# KiCad board panel-support-52-blue.kicad_pcb (continued)
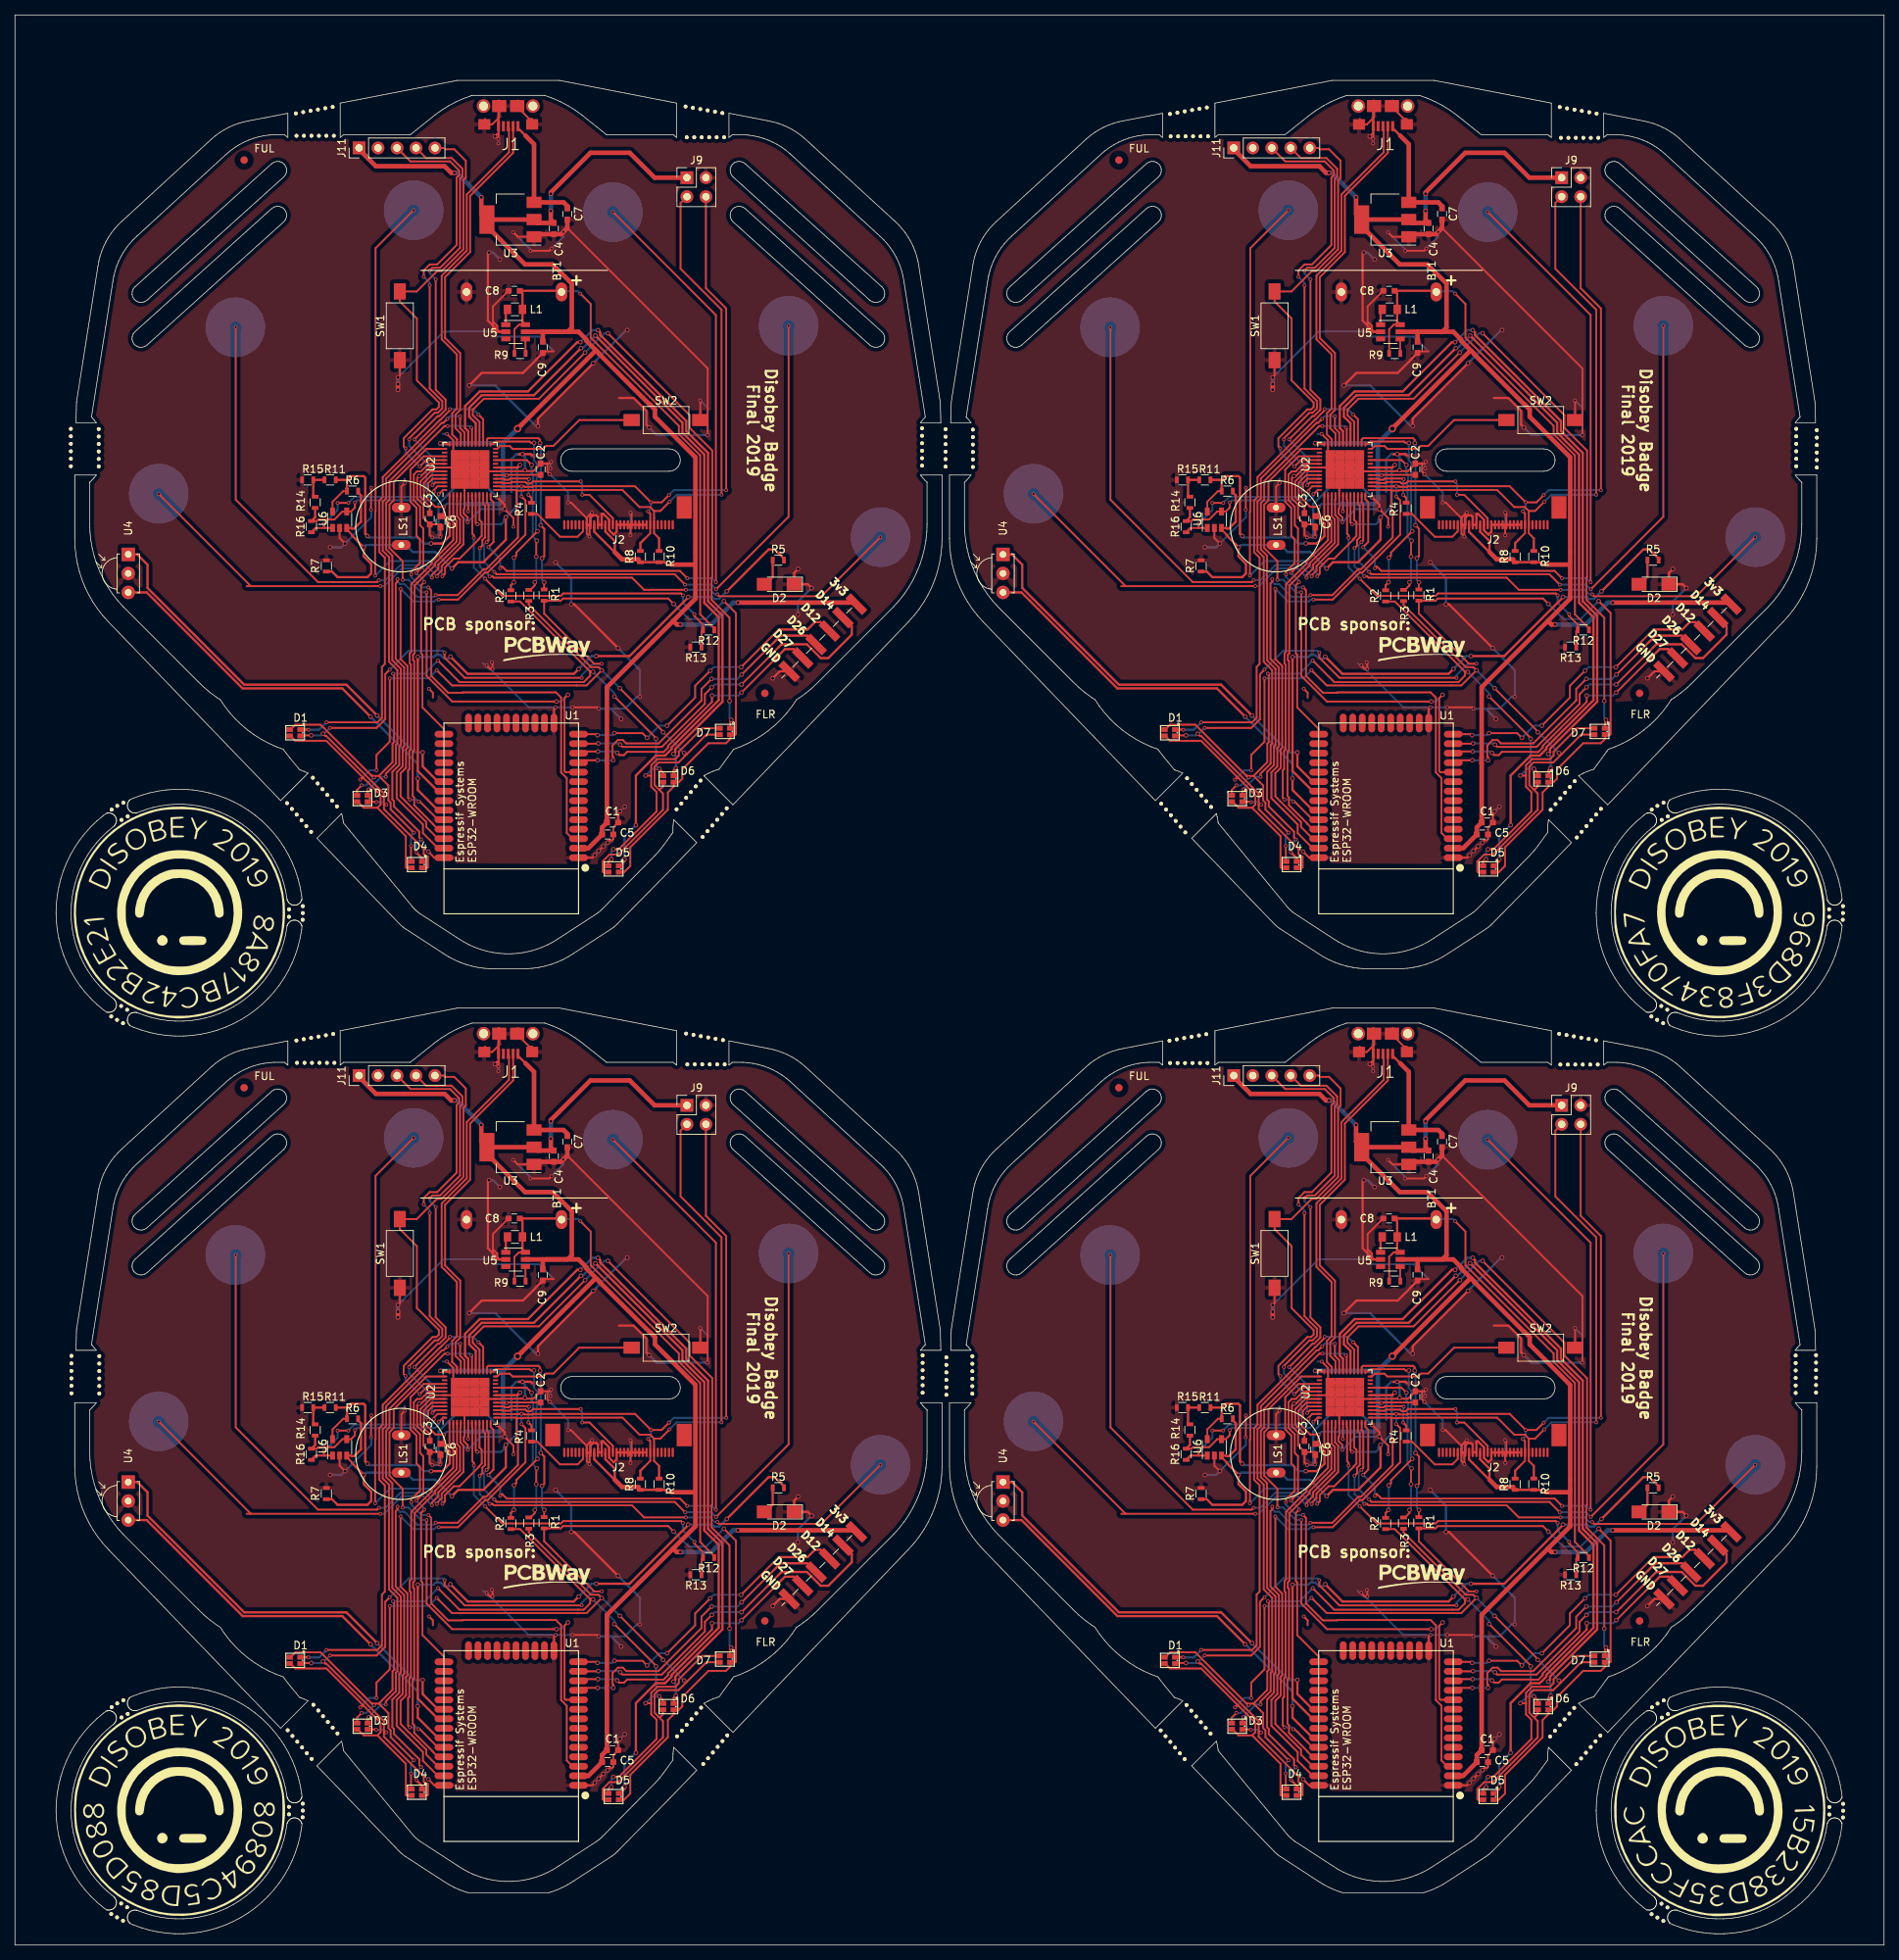
[diagram p0: board, top side]
## Routing (per net, layer and track width the routed paths; a pad name or vN(x,y) marks a point on that pad's centre or on a via; arc(x,y) is an arc through that point) (continued)
Net-(J6-Pad1): length 274
  Top w0.25: v1(179.17,186.73) 179.52,187.07 179.52,187.8 179.88,188.17 179.88,192.41 179.63,192.66 U2#2.10 ; v1(62.17,62.73) 62.52,63.07 62.52,63.8 62.88,64.17 62.88,68.41 62.63,68.66 U2#3.10 ; v1(179.17,62.73) 179.52,63.07 179.52,63.8 179.88,64.17 179.88,68.41 179.63,68.66 U2#4.10 ; v1(210.95,180.55) 211.2,180.3 224.87,180.3 v1(232.75,188.18) ; v1(93.95,56.55) 94.2,56.3 107.87,56.3 v1(115.75,64.18) ; v1(210.95,56.55) 211.2,56.3 224.87,56.3 v1(232.75,64.18) ; v1(206.74,181.16) 201.15,181.16 199.52,182.78 181.03,182.78 180.85,182.97 v1(180.5,182.97) ; v1(89.74,57.16) 84.15,57.16 82.52,58.78 64.03,58.78 63.85,58.97 v1(63.5,58.97) ; v1(206.74,57.16) 201.15,57.16 199.52,58.78 181.03,58.78 180.85,58.97 v1(180.5,58.97) ; v1(63.5,182.97) 63.85,182.97 64.03,182.78 82.52,182.78 84.15,181.16 v1(89.74,181.16) ; U2.10 62.63,192.66 62.88,192.41 62.88,188.17 62.52,187.8 62.52,187.07 v1(62.17,186.73) ; v1(93.95,180.55) 94.2,180.3 107.87,180.3 v1(115.75,188.18)
  Bottom w0.25: v1(210.95,180.55) 210.6,180.55 209.99,181.16 v1(206.74,181.16) ; v1(93.95,56.55) 93.6,56.55 92.99,57.16 v1(89.74,57.16) ; v1(210.95,56.55) 210.6,56.55 209.99,57.16 v1(206.74,57.16) ; v1(179.17,186.73) 179.17,184.3 v1(180.5,182.97) ; v1(62.17,62.73) 62.17,60.3 v1(63.5,58.97) ; v1(179.17,62.73) 179.17,60.3 v1(180.5,58.97) ; v1(232.75,188.18) 232.76,188.18 J6#2.1 ; v1(115.75,64.18) 115.76,64.18 J6#3.1 ; v1(232.75,64.18) 232.76,64.18 J6#4.1 ; v1(93.95,180.55) 93.6,180.55 92.99,181.16 v1(89.74,181.16) ; v1(62.17,186.73) 62.17,184.3 v1(63.5,182.97) ; J6.1 115.76,188.18 v1(115.75,188.18)
Net-(J7-Pad1): length 324.3
  Top w0.25: v1(210.78,181.23) 220.48,190.93 v1(220.48,216.45) ; v1(93.78,57.23) 103.48,66.93 v1(103.48,92.45) ; v1(210.78,57.23) 220.48,66.93 v1(220.48,92.45) ; v1(180.09,187.53) 180.34,187.78 180.34,192.58 180.13,192.79 U2#2.11 ; v1(63.09,63.53) 63.34,63.78 63.34,68.58 63.13,68.79 U2#3.11 ; v1(180.09,63.53) 180.34,63.78 180.34,68.58 180.13,68.79 U2#4.11 ; v1(181.12,183.55) 181.44,183.23 205.24,183.23 v1(206.63,181.85) ; v1(64.12,59.55) 64.44,59.23 88.24,59.23 v1(89.63,57.85) ; v1(181.12,59.55) 181.44,59.23 205.24,59.23 v1(206.63,57.85) ; v1(103.48,216.45) 103.48,190.93 v1(93.78,181.23) ; v1(89.63,181.85) 88.24,183.23 64.44,183.23 v1(64.12,183.55) ; v1(63.09,187.53) 63.34,187.78 63.34,192.58 63.13,192.79 U2.11
  Bottom w0.25: v1(210.78,181.23) 210.15,181.85 v1(206.63,181.85) ; v1(93.78,57.23) 93.15,57.85 v1(89.63,57.85) ; v1(210.78,57.23) 210.15,57.85 v1(206.63,57.85) ; v1(180.09,187.53) 179.75,187.18 179.75,184.93 v1(181.12,183.55) ; v1(63.09,63.53) 62.75,63.18 62.75,60.93 v1(64.12,59.55) ; v1(180.09,63.53) 179.75,63.18 179.75,60.93 v1(181.12,59.55) ; v1(220.48,216.45) J7#2.1 ; v1(103.48,92.45) J7#3.1 ; v1(220.48,92.45) J7#4.1 ; v1(93.78,181.23) 93.15,181.85 v1(89.63,181.85) ; v1(64.12,183.55) 62.75,184.93 62.75,187.18 v1(63.09,187.53) ; J7.1 v1(103.48,216.45)
Net-(J8-Pad1): length 383.7
  Top w0.25: U2#2.12 180.63,193.25 181,192.88 181,187.55 v1(180.32,186.86) ; U2#3.12 63.63,69.25 64,68.88 64,63.55 v1(63.32,62.86) ; U2#4.12 180.63,69.25 181,68.88 181,63.55 v1(180.32,62.86) ; v1(206.93,182.7) 205.94,183.69 182.76,183.69 182.15,184.3 v1(181.9,184.05) ; v1(89.93,58.7) 88.94,59.69 65.76,59.69 65.15,60.3 v1(64.9,60.05) ; v1(206.93,58.7) 205.94,59.69 182.76,59.69 182.15,60.3 v1(181.9,60.05) ; v1(196.98,231.66) 210.75,217.89 v1(210.75,182.18) ; v1(79.98,107.66) 93.75,93.89 v1(93.75,58.18) ; v1(196.98,107.66) 210.75,93.89 v1(210.75,58.18) ; v1(79.98,231.66) 93.75,217.89 v1(93.75,182.18) ; v1(89.93,182.7) 88.94,183.69 65.76,183.69 65.15,184.3 v1(64.9,184.05) ; v1(63.32,186.86) 64,187.55 64,192.88 63.63,193.25 U2.12
  Bottom w0.25: v1(180.32,186.86) 181.9,185.29 v1(181.9,184.05) ; v1(63.32,62.86) 64.9,61.29 v1(64.9,60.05) ; v1(180.32,62.86) 181.9,61.29 v1(181.9,60.05) ; v1(196.98,231.66) 196.98,231.66 J8#2.1 ; v1(79.98,107.66) 79.98,107.66 J8#3.1 ; v1(196.98,107.66) 196.98,107.66 J8#4.1 ; v1(210.75,182.18) 210.23,182.7 v1(206.93,182.7) ; v1(93.75,58.18) 93.23,58.7 v1(89.93,58.7) ; v1(210.75,58.18) 210.23,58.7 v1(206.93,58.7) ; v1(79.98,231.66) 79.98,231.66 J8.1 ; v1(93.75,182.18) 93.23,182.7 v1(89.93,182.7) ; v1(64.9,184.05) 64.9,185.29 v1(63.32,186.86)
Net-(J10-Pad2): length 192.1
  Top w0.25: v2(197.95,160.46) 198.25,160.16 203.52,160.16 209.28,165.91 209.28,167.2 v2(210.2,168.12) ; v2(80.95,36.46) 81.25,36.16 86.52,36.16 92.28,41.91 92.28,43.2 v2(93.2,44.12) ; v2(197.95,36.46) 198.25,36.16 203.52,36.16 209.28,41.91 209.28,43.2 v2(210.2,44.12) ; v2(195.03,160.62) 194.99,160.59 U1#2.13 ; v2(78.03,36.62) 77.99,36.59 U1#3.13 ; v2(195.03,36.62) 194.99,36.59 U1#4.13 ; v2(214.18,168.5) 217.77,172.09 217.77,172.12 219.09,173.44 ; v2(97.18,44.5) 100.77,48.09 100.77,48.12 102.09,49.44 ; v2(214.18,44.5) 217.77,48.09 217.77,48.12 219.09,49.44 ; v2(78.03,160.62) 77.99,160.59 U1.13 ; v2(80.95,160.46) 81.25,160.16 86.52,160.16 92.28,165.91 92.28,167.2 v2(93.2,168.12) ; v2(97.18,168.5) 100.77,172.09 100.77,172.12 102.09,173.44
  Top w0.3: J10#2.2 228.93,176.26 228.93,175.18 225.79,172.03 224.77,172.03 222.93,173.87 219.53,173.87 219.09,173.44 ; J10#3.2 111.93,52.26 111.93,51.18 108.79,48.03 107.77,48.03 105.93,49.87 102.53,49.87 102.09,49.44 ; J10#4.2 228.93,52.26 228.93,51.18 225.79,48.03 224.77,48.03 222.93,49.87 219.53,49.87 219.09,49.44 ; J10.2 111.93,176.26 111.93,175.18 108.79,172.03 107.77,172.03 105.93,173.87 102.53,173.87 102.09,173.44
  Bottom w0.25: v2(195.03,160.62) 197.79,160.62 v2(197.95,160.46) ; v2(78.03,36.62) 80.79,36.62 v2(80.95,36.46) ; v2(195.03,36.62) 197.79,36.62 v2(197.95,36.46) ; v2(214.18,168.5) 210.58,168.5 v2(210.2,168.12) ; v2(97.18,44.5) 93.58,44.5 v2(93.2,44.12) ; v2(214.18,44.5) 210.58,44.5 v2(210.2,44.12) ; v2(93.2,168.12) 93.58,168.5 v2(97.18,168.5) ; v2(80.95,160.46) 80.79,160.62 v2(78.03,160.62)
Net-(J10-Pad3): length 167.3
  Top w0.25: v2(214.13,170.82) 219.16,175.85 ; v2(97.13,46.82) 102.16,51.85 ; v2(214.13,46.82) 219.16,51.85 ; v2(210,170.35) 207.98,168.32 207.98,166.75 v2(204.23,163) ; v2(93,46.35) 90.98,44.32 90.98,42.75 v2(87.23,39) ; v2(210,46.35) 207.98,44.32 207.98,42.75 v2(204.23,39) ; v2(197.18,162) 200.93,162 v2(201.55,161.38) ; v2(80.18,38) 83.93,38 v2(84.55,37.38) ; v2(197.18,38) 200.93,38 v2(201.55,37.38) ; U1#2.14 194.77,161.86 v2(194.9,161.72) ; U1#3.14 77.77,37.86 v2(77.9,37.72) ; U1#4.14 194.77,37.86 v2(194.9,37.72) ; v2(93,170.35) 90.98,168.32 90.98,166.75 v2(87.23,163) ; v2(84.55,161.38) 83.93,162 v2(80.18,162) ; v2(97.13,170.82) 102.16,175.85 ; v2(77.9,161.72) 77.77,161.86 U1.14
  Top w0.3: J10#2.3 224.77,176.83 223.98,176.83 223.01,175.85 219.16,175.85 ; J10#3.3 107.77,52.83 106.98,52.83 106.01,51.85 102.16,51.85 ; J10#4.3 224.77,52.83 223.98,52.83 223.01,51.85 219.16,51.85 ; 102.16,175.85 106.01,175.85 106.98,176.83 107.77,176.83 J10.3
  Bottom w0.25: v2(210,170.35) 210.48,170.82 v2(214.13,170.82) ; v2(93,46.35) 93.48,46.82 v2(97.13,46.82) ; v2(210,46.35) 210.48,46.82 v2(214.13,46.82) ; v2(201.55,161.38) 203.18,163 v2(204.23,163) ; v2(84.55,37.38) 86.18,39 v2(87.23,39) ; v2(201.55,37.38) 203.18,39 v2(204.23,39) ; v2(194.9,161.72) 196.9,161.72 v2(197.18,162) ; v2(77.9,37.72) 79.9,37.72 v2(80.18,38) ; v2(194.9,37.72) 196.9,37.72 v2(197.18,38) ; v2(77.9,161.72) 79.9,161.72 v2(80.18,162) ; v2(84.55,161.38) 86.18,163 v2(87.23,163) ; v2(97.13,170.82) 93.48,170.82 v2(93,170.35)
Net-(J10-Pad4): length 167.5
  Top w0.25: v2(197.03,158.38) 197.03,158.8 196.93,158.9 196.93,160.36 197.65,161.08 198.31,161.08 198.76,160.62 203.08,160.62 208.83,166.38 208.83,167.9 v2(210.18,169.25) ; v2(80.03,34.38) 80.03,34.8 79.93,34.9 79.93,36.36 80.65,37.08 81.31,37.08 81.76,36.62 86.08,36.62 91.83,42.38 91.83,43.9 v2(93.18,45.25) ; v2(197.03,34.38) 197.03,34.8 196.93,34.9 196.93,36.36 197.65,37.08 198.31,37.08 198.76,36.62 203.08,36.62 208.83,42.38 208.83,43.9 v2(210.18,45.25) ; v2(194.93,158.38) 192.7,158.38 U1#2.11 ; v2(77.93,34.38) 75.7,34.38 U1#3.11 ; v2(194.93,34.38) 192.7,34.38 U1#4.11 ; 218.44,174.06 v2(214.2,169.82) ; 101.44,50.06 v2(97.2,45.82) ; 218.44,50.06 v2(214.2,45.82) ; U1.11 75.7,158.38 v2(77.93,158.38) ; v2(80.03,158.38) 80.03,158.8 79.93,158.9 79.93,160.36 80.65,161.08 81.31,161.08 81.76,160.62 86.08,160.62 91.83,166.38 91.83,167.9 v2(93.18,169.25) ; 101.44,174.06 v2(97.2,169.82)
  Top w0.3: 224.15,173.85 222.97,175.03 219.41,175.03 218.44,174.06 ; 107.15,49.85 105.97,51.03 102.41,51.03 101.44,50.06 ; 224.15,49.85 222.97,51.03 219.41,51.03 218.44,50.06 ; 101.44,174.06 102.41,175.03 105.97,175.03 107.15,173.85
  Bottom w0.25: v2(197.03,158.38) v2(194.93,158.38) ; v2(80.03,34.38) v2(77.93,34.38) ; v2(197.03,34.38) v2(194.93,34.38) ; v2(214.2,169.82) 213.63,169.25 v2(210.18,169.25) ; v2(97.2,45.82) 96.63,45.25 v2(93.18,45.25) ; v2(214.2,45.82) 213.63,45.25 v2(210.18,45.25) ; v2(80.03,158.38) v2(77.93,158.38) ; v2(93.18,169.25) 96.63,169.25 v2(97.2,169.82)
Net-(J10-Pad5): length 149.1
  Top w0.25: v2(197.56,159.37) 197.86,159.07 198.46,159.07 198.89,159.5 202.88,159.5 202.91,159.47 203.75,159.47 204.35,160.08 204.35,160.3 210.23,166.18 v2(210.23,167.03) ; v2(80.56,35.37) 80.86,35.07 81.46,35.07 81.89,35.5 85.88,35.5 85.91,35.47 86.75,35.47 87.35,36.08 87.35,36.3 93.23,42.18 v2(93.23,43.03) ; v2(197.56,35.37) 197.86,35.07 198.46,35.07 198.89,35.5 202.88,35.5 202.91,35.47 203.75,35.47 204.35,36.08 204.35,36.3 210.23,42.18 v2(210.23,43.03) ; v2(194.98,159.55) 192.61,159.55 U1#2.12 ; v2(77.98,35.55) 75.61,35.55 U1#3.12 ; v2(194.98,35.55) 192.61,35.55 U1#4.12 ; 219.02,172.26 v2(214.18,167.42) ; 102.02,48.26 v2(97.18,43.42) ; 219.02,48.26 v2(214.18,43.42) ; v2(93.23,167.03) 93.23,166.18 87.35,160.3 87.35,160.08 86.75,159.47 85.91,159.47 85.88,159.5 81.89,159.5 81.46,159.07 80.86,159.07 v2(80.56,159.37) ; 102.02,172.26 v2(97.18,167.42) ; v2(77.98,159.55) 75.61,159.55 U1.12
  Top w0.3: 219.02,172.26 219.99,173.24 221.17,173.24 J10#2.5 ; 102.02,48.26 102.99,49.24 104.17,49.24 J10#3.5 ; 219.02,48.26 219.99,49.24 221.17,49.24 J10#4.5 ; 102.02,172.26 102.99,173.24 104.17,173.24 J10.5
  Bottom w0.25: v2(194.98,159.55) 197.37,159.55 v2(197.56,159.37) ; v2(77.98,35.55) 80.37,35.55 v2(80.56,35.37) ; v2(194.98,35.55) 197.37,35.55 v2(197.56,35.37) ; v2(214.18,167.42) 213.78,167.03 v2(210.23,167.03) ; v2(97.18,43.42) 96.78,43.03 v2(93.23,43.03) ; v2(214.18,43.42) 213.78,43.03 v2(210.23,43.03) ; v2(77.98,159.55) 80.37,159.55 v2(80.56,159.37) ; v2(93.23,167.03) 96.78,167.03 v2(97.18,167.42)
Net-(J11-Pad3): length 251.9
  Top w0.25: v1(172.27,194.17) 172.27,194.53 172.27,194.53 172.27,195.41 172.86,196 174.48,196 ; v1(55.27,70.17) 55.27,70.53 55.27,70.53 55.27,71.41 55.86,72 U2#3.45 ; v1(172.27,70.17) 172.27,70.53 172.27,70.53 172.27,71.41 172.86,72 U2#4.45 ; v1(171.68,223) 171.68,223.85 172.48,224.65 173.48,224.65 176.08,227.25 176.08,236.27 176.4,236.6 176.4,237.21 175.19,238.42 169.9,238.42 J11#2.3 ; v1(54.68,99) 54.68,99.85 55.48,100.65 56.48,100.65 59.08,103.25 59.08,112.27 59.4,112.6 59.4,113.21 58.19,114.42 52.9,114.42 J11#3.3 ; v1(171.68,99) 171.68,99.85 172.48,100.65 173.48,100.65 176.08,103.25 176.08,112.27 176.4,112.6 176.4,113.21 175.19,114.42 169.9,114.42 J11#4.3 ; v1(172.48,221.85) 172.48,208.06 174.15,206.39 174.15,205.41 173.57,204.82 173.14,204.82 169.73,201.41 v1(169.73,201.26) ; v1(55.48,97.85) 55.48,84.06 57.15,82.39 57.15,81.41 56.57,80.82 56.14,80.82 52.73,77.41 v1(52.73,77.26) ; v1(172.48,97.85) 172.48,84.06 174.15,82.39 174.15,81.41 173.57,80.82 173.14,80.82 169.73,77.41 v1(169.73,77.26) ; 57.48,196 55.86,196 55.27,195.41 55.27,194.53 55.27,194.53 v1(55.27,194.17) ; v1(55.48,221.85) 55.48,208.06 57.15,206.39 57.15,205.41 56.57,204.82 56.14,204.82 52.73,201.41 v1(52.73,201.26) ; v1(54.68,223) 54.68,223.85 55.48,224.65 56.48,224.65 59.08,227.25 59.08,236.27 59.4,236.6 59.4,237.21 58.19,238.42 52.9,238.42 J11.3
  Bottom w0.25: v1(169.73,201.26) 169.73,200.4 172.02,198.1 172.02,194.42 v1(172.27,194.17) ; v1(52.73,77.26) 52.73,76.4 55.02,74.1 55.02,70.42 v1(55.27,70.17) ; v1(169.73,77.26) 169.73,76.4 172.02,74.1 172.02,70.42 v1(172.27,70.17) ; v1(172.48,221.85) 172.48,222.2 v1(171.68,223) ; v1(55.48,97.85) 55.48,98.2 v1(54.68,99) ; v1(172.48,97.85) 172.48,98.2 v1(171.68,99) ; v1(54.68,223) 55.48,222.2 v1(55.48,221.85) ; v1(52.73,201.26) 52.73,200.4 55.02,198.1 55.02,194.42 v1(55.27,194.17)
Net-(J11-Pad4): length 230.4
  Top w0.25: 174.48,195.5 173.22,195.5 v1(172.85,195.13) ; U2#3.46 56.22,71.5 v1(55.85,71.13) ; U2#4.46 173.22,71.5 v1(172.85,71.13) ; v1(172.49,223.84) 172.84,224.2 173.87,224.2 176.53,226.86 176.53,236.09 176.85,236.41 176.85,237.44 175.42,238.87 171.99,238.87 J11#2.4 ; v1(55.49,99.84) 55.84,100.2 56.87,100.2 59.53,102.86 59.53,112.09 59.85,112.41 59.85,113.44 58.42,114.87 54.99,114.87 J11#3.4 ; v1(172.49,99.84) 172.84,100.2 173.87,100.2 176.53,102.86 176.53,112.09 176.85,112.41 176.85,113.44 175.42,114.87 171.99,114.87 J11#4.4 ; v1(170.43,201.26) 173.54,204.37 173.75,204.37 174.6,205.23 174.6,206.57 173.28,207.9 v1(173.28,222.65) ; v1(53.43,77.26) 56.54,80.37 56.75,80.37 57.6,81.23 57.6,82.57 56.28,83.9 v1(56.28,98.65) ; v1(170.43,77.26) 173.54,80.37 173.75,80.37 174.6,81.23 174.6,82.57 173.28,83.9 v1(173.28,98.65) ; v1(53.43,201.26) 56.54,204.37 56.75,204.37 57.6,205.23 57.6,206.57 56.28,207.9 v1(56.28,222.65) ; 57.48,195.5 56.22,195.5 v1(55.85,195.13) ; v1(55.49,223.84) 55.84,224.2 56.87,224.2 59.53,226.86 59.53,236.09 59.85,236.41 59.85,237.44 58.42,238.87 54.99,238.87 J11.4
  Bottom w0.25: v1(172.85,195.13) 172.85,198.85 v1(170.43,201.26) ; v1(55.85,71.13) 55.85,74.85 v1(53.43,77.26) ; v1(172.85,71.13) 172.85,74.85 v1(170.43,77.26) ; v1(172.49,223.84) 172.49,223.44 v1(173.28,222.65) ; v1(55.49,99.84) 55.49,99.44 v1(56.28,98.65) ; v1(172.49,99.84) 172.49,99.44 v1(173.28,98.65) ; v1(56.28,222.65) 55.49,223.44 v1(55.49,223.84) ; v1(53.43,201.26) 55.85,198.85 v1(55.85,195.13)
Net-(L1-Pad2): length 8.6
  Top w0.3: U5#2.1 182.66,218.43 L1#2.2 ; U5#3.1 65.66,94.43 L1#3.2 ; U5#4.1 182.66,94.43 L1#4.2 ; L1.2 65.66,218.43 U5.1
Net-(R1-Pad2): length 113.5
  Top w0.25: v2(187.23,200.79) 187.23,201.21 187.01,201.42 180.3,201.42 180.13,201.25 U2#2.26 ; v2(70.23,76.79) 70.23,77.21 70.01,77.42 63.3,77.42 63.13,77.25 U2#3.26 ; v2(187.23,76.79) 187.23,77.21 187.01,77.42 180.3,77.42 180.13,77.25 U2#4.26 ; v2(187.8,182.16) 187.78,182.13 187.78,181.2 ; v2(70.8,58.16) 70.78,58.13 R1#3.2 ; v2(187.8,58.16) 187.78,58.13 R1#4.2 ; v2(187.33,189.78) 187.8,189.3 187.8,185.67 v2(187.5,185.38) ; v2(70.33,65.78) 70.8,65.3 70.8,61.67 v2(70.5,61.38) ; v2(187.33,65.78) 187.8,65.3 187.8,61.67 v2(187.5,61.38) ; v2(70.23,200.79) 70.23,201.21 70.01,201.42 63.3,201.42 63.13,201.25 U2.26 ; v2(70.33,189.78) 70.8,189.3 70.8,185.67 v2(70.5,185.38) ; 70.78,181.2 70.78,182.13 v2(70.8,182.16)
  Bottom w0.25: v2(187.23,200.79) 187.33,200.69 v2(187.33,189.78) ; v2(70.23,76.79) 70.33,76.69 v2(70.33,65.78) ; v2(187.23,76.79) 187.33,76.69 v2(187.33,65.78) ; v2(187.5,185.38) 187.5,182.46 v2(187.8,182.16) ; v2(70.5,61.38) 70.5,58.46 v2(70.8,58.16) ; v2(187.5,61.38) 187.5,58.46 v2(187.8,58.16) ; v2(70.5,185.38) 70.5,182.46 v2(70.8,182.16) ; v2(70.23,200.79) 70.33,200.69 v2(70.33,189.78)
Net-(R2-Pad2): length 109.8
  Top w0.25: v2(186.43,200.8) 186,200.8 185.83,200.97 181.33,200.97 181,200.65 U2#2.25 ; v2(69.43,76.8) 69,76.8 68.83,76.97 64.33,76.97 64,76.65 U2#3.25 ; v2(186.43,76.8) 186,76.8 185.83,76.97 181.33,76.97 181,76.65 U2#4.25 ; v2(183.73,182.16) 183.33,181.76 R2#2.2 ; v2(66.73,58.16) 66.33,57.76 R2#3.2 ; v2(183.73,58.16) 183.33,57.76 R2#4.2 ; v2(183.75,185.45) 184.05,185.75 184.05,186.15 v2(186.9,188.99) ; v2(66.75,61.45) 67.05,61.75 67.05,62.15 v2(69.9,64.99) ; v2(183.75,61.45) 184.05,61.75 184.05,62.15 v2(186.9,64.99) ; v2(66.73,182.16) 66.33,181.76 R2.2 ; U2.25 64,200.65 64.33,200.97 68.83,200.97 69,200.8 v2(69.43,200.8) ; v2(69.9,188.99) 67.05,186.15 67.05,185.75 v2(66.75,185.45)
  Bottom w0.25: v2(186.9,188.99) 186.7,189.18 186.7,195.41 186.78,195.49 186.78,198.1 186.43,198.45 v2(186.43,200.8) ; v2(69.9,64.99) 69.7,65.18 69.7,71.41 69.78,71.49 69.78,74.1 69.43,74.45 v2(69.43,76.8) ; v2(186.9,64.99) 186.7,65.18 186.7,71.41 186.78,71.49 186.78,74.1 186.43,74.45 v2(186.43,76.8) ; v2(183.75,185.45) 183.75,182.18 v2(183.73,182.16) ; v2(66.75,61.45) 66.75,58.18 v2(66.73,58.16) ; v2(183.75,61.45) 183.75,58.18 v2(183.73,58.16) ; v2(66.75,185.45) 66.75,182.18 v2(66.73,182.16) ; v2(69.9,188.99) 69.7,189.18 69.7,195.41 69.78,195.49 69.78,198.1 69.43,198.45 v2(69.43,200.8)
Net-(R3-Pad2): length 90.8
  Top w0.25: U2#2.21 185.45,198.5 v2(186.1,197.85) ; U2#3.21 68.45,74.5 v2(69.1,73.85) ; U2#4.21 185.45,74.5 v2(186.1,73.85) ; v2(186.53,182.16) 186.53,181.75 185.93,181.15 R3#2.2 ; v2(69.53,58.16) 69.53,57.75 68.93,57.15 R3#3.2 ; v2(186.53,58.16) 186.53,57.75 185.93,57.15 R3#4.2 ; v2(186.73,185.6) 186.73,187.65 v2(186.8,187.72) ; v2(69.73,61.6) 69.73,63.65 v2(69.8,63.72) ; v2(186.73,61.6) 186.73,63.65 v2(186.8,63.72) ; v2(69.53,182.16) 69.53,181.75 68.93,181.15 R3.2 ; v2(69.8,187.72) 69.73,187.65 v2(69.73,185.6) ; v2(69.1,197.85) 68.45,198.5 U2.21
  Bottom w0.25: v2(186.53,182.16) 186.73,182.36 v2(186.73,185.6) ; v2(69.53,58.16) 69.73,58.36 v2(69.73,61.6) ; v2(186.53,58.16) 186.73,58.36 v2(186.73,61.6) ; v2(186.8,187.72) 186.25,188.28 186.25,195.6 186.33,195.67 186.33,196.56 186.1,196.78 v2(186.1,197.85) ; v2(69.8,63.72) 69.25,64.28 69.25,71.6 69.33,71.67 69.33,72.56 69.1,72.78 v2(69.1,73.85) ; v2(186.8,63.72) 186.25,64.28 186.25,71.6 186.33,71.67 186.33,72.56 186.1,72.78 v2(186.1,73.85) ; v2(69.53,182.16) 69.73,182.36 v2(69.73,185.6) ; v2(69.8,187.72) 69.25,188.28 69.25,195.6 69.33,195.67 69.33,196.56 69.1,196.78 v2(69.1,197.85)
Net-(R9-Pad2): length 7.8
  Top w0.25: U5#2.4 185.28,212.78 R9#2.2 ; U5#3.4 68.28,88.77 R9#3.2 ; U5#4.4 185.28,88.77 R9#4.2 ; U5.4 68.28,212.78 R9.2
Net-(R11-Pad1): length 15.4
  Top w0.3: R11#2.1 R15#2.2 156.9,193.85 R14#2.1 ; R11#3.1 R15#3.2 39.9,69.85 R14#3.1 ; R11#4.1 R15#4.2 156.9,69.85 R14#4.1 ; R11.1 R15.2 39.9,193.85 R14.1
Net-(R12-Pad2): length 190.8
  Top w0.25: U2#2.7 178.13,193.25 178.18,193.2 178.18,188.65 178.38,188.45 v1(178.38,188.1) ; U2#3.7 61.13,69.25 61.18,69.2 61.18,64.65 61.38,64.45 v1(61.38,64.1) ; U2#4.7 178.13,69.25 178.18,69.2 178.18,64.65 178.38,64.45 v1(178.38,64.1) ; v1(206.34,180.42) 206.09,180.67 190.34,180.67 190.02,180.35 182.17,180.35 v1(179.88,182.64) ; v1(89.34,56.42) 89.09,56.67 73.34,56.67 73.02,56.35 65.17,56.35 v1(62.88,58.64) ; v1(206.34,56.42) 206.09,56.67 190.34,56.67 190.02,56.35 182.17,56.35 v1(179.88,58.64) ; v1(207.88,177.9) 207.88,177.65 209.03,176.5 R12#2.2 208.83,175.6 R13#2.1 ; v1(90.88,53.9) 90.88,53.65 92.03,52.5 R12#3.2 91.83,51.6 R13#3.1 ; v1(207.88,53.9) 207.88,53.65 209.03,52.5 R12#4.2 208.83,51.6 R13#4.1 ; v1(61.38,188.1) 61.38,188.45 61.18,188.65 61.18,193.2 61.13,193.25 U2.7 ; R13.1 91.83,175.6 R12.2 92.03,176.5 90.88,177.65 v1(90.88,177.9) ; v1(89.34,180.42) 89.09,180.67 73.34,180.67 73.02,180.35 65.17,180.35 v1(62.88,182.64)
  Bottom w0.25: v1(206.34,180.42) 206.34,179.44 v1(207.88,177.9) ; v1(89.34,56.42) 89.34,55.44 v1(90.88,53.9) ; v1(206.34,56.42) 206.34,55.44 v1(207.88,53.9) ; v1(179.88,182.64) 178.38,184.14 v1(178.38,188.1) ; v1(62.88,58.64) 61.38,60.14 v1(61.38,64.1) ; v1(179.88,58.64) 178.38,60.14 v1(178.38,64.1) ; v1(90.88,177.9) 89.34,179.44 v1(89.34,180.42) ; v1(62.88,182.64) 61.38,184.14 v1(61.38,188.1)
Net-(R14-Pad2): length 88.4
  Top w0.25: R16#2.2 157.35,190.35 157.55,190.55 159.73,190.55 160.8,191.62 U6#2.4 161.95,191.62 162.47,192.14 v1(162.47,192.83) ; R16#3.2 40.35,66.35 40.55,66.55 42.73,66.55 43.8,67.62 U6#3.4 44.95,67.62 45.47,68.14 v1(45.47,68.83) ; R16#4.2 157.35,66.35 157.55,66.55 159.73,66.55 160.8,67.62 U6#4.4 161.95,67.62 162.47,68.14 v1(162.47,68.83) ; 174.48,194.5 174.25,194.5 173.7,193.95 v1(173.67,193.95) ; U2#3.48 57.25,70.5 56.7,69.95 v1(56.67,69.95) ; U2#4.48 174.25,70.5 173.7,69.95 v1(173.67,69.95) ; v1(56.67,193.95) 56.7,193.95 57.25,194.5 57.48,194.5 ; v1(45.47,192.83) 45.47,192.14 44.95,191.62 U6.4 43.8,191.62 42.73,190.55 40.55,190.55 40.35,190.35 R16.2
  Top w0.3: R14#2.2 157.15,190.85 R16#2.2 ; R14#3.2 40.15,66.85 R16#3.2 ; R14#4.2 157.15,66.85 R16#4.2 ; R14.2 40.15,190.85 R16.2
  Bottom w0.25: v1(173.67,193.95) 173.67,193.6 173.2,193.12 162.77,193.12 v1(162.47,192.83) ; v1(56.67,69.95) 56.67,69.6 56.2,69.12 45.77,69.12 v1(45.47,68.83) ; v1(173.67,69.95) 173.67,69.6 173.2,69.12 162.77,69.12 v1(162.47,68.83) ; v1(56.67,193.95) 56.67,193.6 56.2,193.12 45.77,193.12 v1(45.47,192.83)
Net-(SW2-Pad1): length 80.5
  Top w0.25: SW2#2.1 192.48,203.85 189.03,200.4 188.05,200.4 187.65,200 183.57,200 183.19,200.38 181.88,200.38 181.5,200 U2#2.24 ; SW2#3.1 75.48,79.85 72.03,76.4 71.05,76.4 70.65,76 66.57,76 66.19,76.38 64.88,76.38 64.5,76 U2#3.24 ; SW2#4.1 192.48,79.85 189.03,76.4 188.05,76.4 187.65,76 183.57,76 183.19,76.38 181.88,76.38 181.5,76 U2#4.24 ; SW2.1 75.48,203.85 72.03,200.4 71.05,200.4 70.65,200 66.57,200 66.19,200.38 64.88,200.38 64.5,200 U2.24

## Copper pours and planes (outline as drawn; the poured copper is in the pictures)
GND on Top: 65.43,251 119.8,237.2 124.38,186.85 105.35,166.62 93.23,165.95 77.93,144.47 55.03,144.6 37.63,166.15 20.75,166.28 8.75,186.07 11.2,230.15 31.05,243.1
GND on Top: 182.43,251 236.8,237.2 241.38,186.85 222.35,166.62 210.23,165.95 194.93,144.47 172.03,144.6 154.63,166.15 137.75,166.28 125.75,186.07 128.2,230.15 148.05,243.1
GND on Top: 65.43,127 119.8,113.2 124.38,62.85 105.35,42.62 93.23,41.95 77.93,20.47 55.03,20.6 37.63,42.15 20.75,42.28 8.75,62.07 11.2,106.15 31.05,119.1
GND on Top: 182.43,127 236.8,113.2 241.38,62.85 222.35,42.62 210.23,41.95 194.93,20.47 172.03,20.6 154.63,42.15 137.75,42.28 125.75,62.07 128.2,106.15 148.05,119.1
GND on Bottom: 63.8,251.15 101.65,242.65 118.78,225.47 122.38,188.42 109.7,170.32 106,166.15 92.78,165.95 77.38,144.65 55.65,144.65 37.83,166.28 21.98,166.28 8.33,185.07 12.35,227.7 31.63,242.8
GND on Bottom: 180.8,251.15 218.65,242.65 235.78,225.47 239.38,188.42 226.7,170.32 223,166.15 209.78,165.95 194.38,144.65 172.65,144.65 154.83,166.28 138.98,166.28 125.33,185.07 129.35,227.7 148.63,242.8
GND on Bottom: 63.8,127.15 101.65,118.65 118.78,101.47 122.38,64.42 109.7,46.32 106,42.15 92.78,41.95 77.38,20.65 55.65,20.65 37.83,42.28 21.98,42.28 8.33,61.07 12.35,103.7 31.63,118.8
GND on Bottom: 180.8,127.15 218.65,118.65 235.78,101.47 239.38,64.42 226.7,46.32 223,42.15 209.78,41.95 194.38,20.65 172.65,20.65 154.83,42.28 138.98,42.28 125.33,61.07 129.35,103.7 148.63,118.8

## Text on the board
F.Mask: Cat Herding: / Heikki Juva | API/docs: / Jaga | Puzzling: / Purkkaviritys | Signals: / windytan | Lanyards&Bracelets: / Teemu Hakala | EEing/Layout: / Kliment | Artwork: / Otto Raila
F.SilkS: GND | D27 | D26 | D12 | D14 | 3v3 | PCB sponsor: | + | Disobey Badge / Final 2019
